# Altium PCB 2020智能车.PcbDoc (part 1 of 2) (continued)
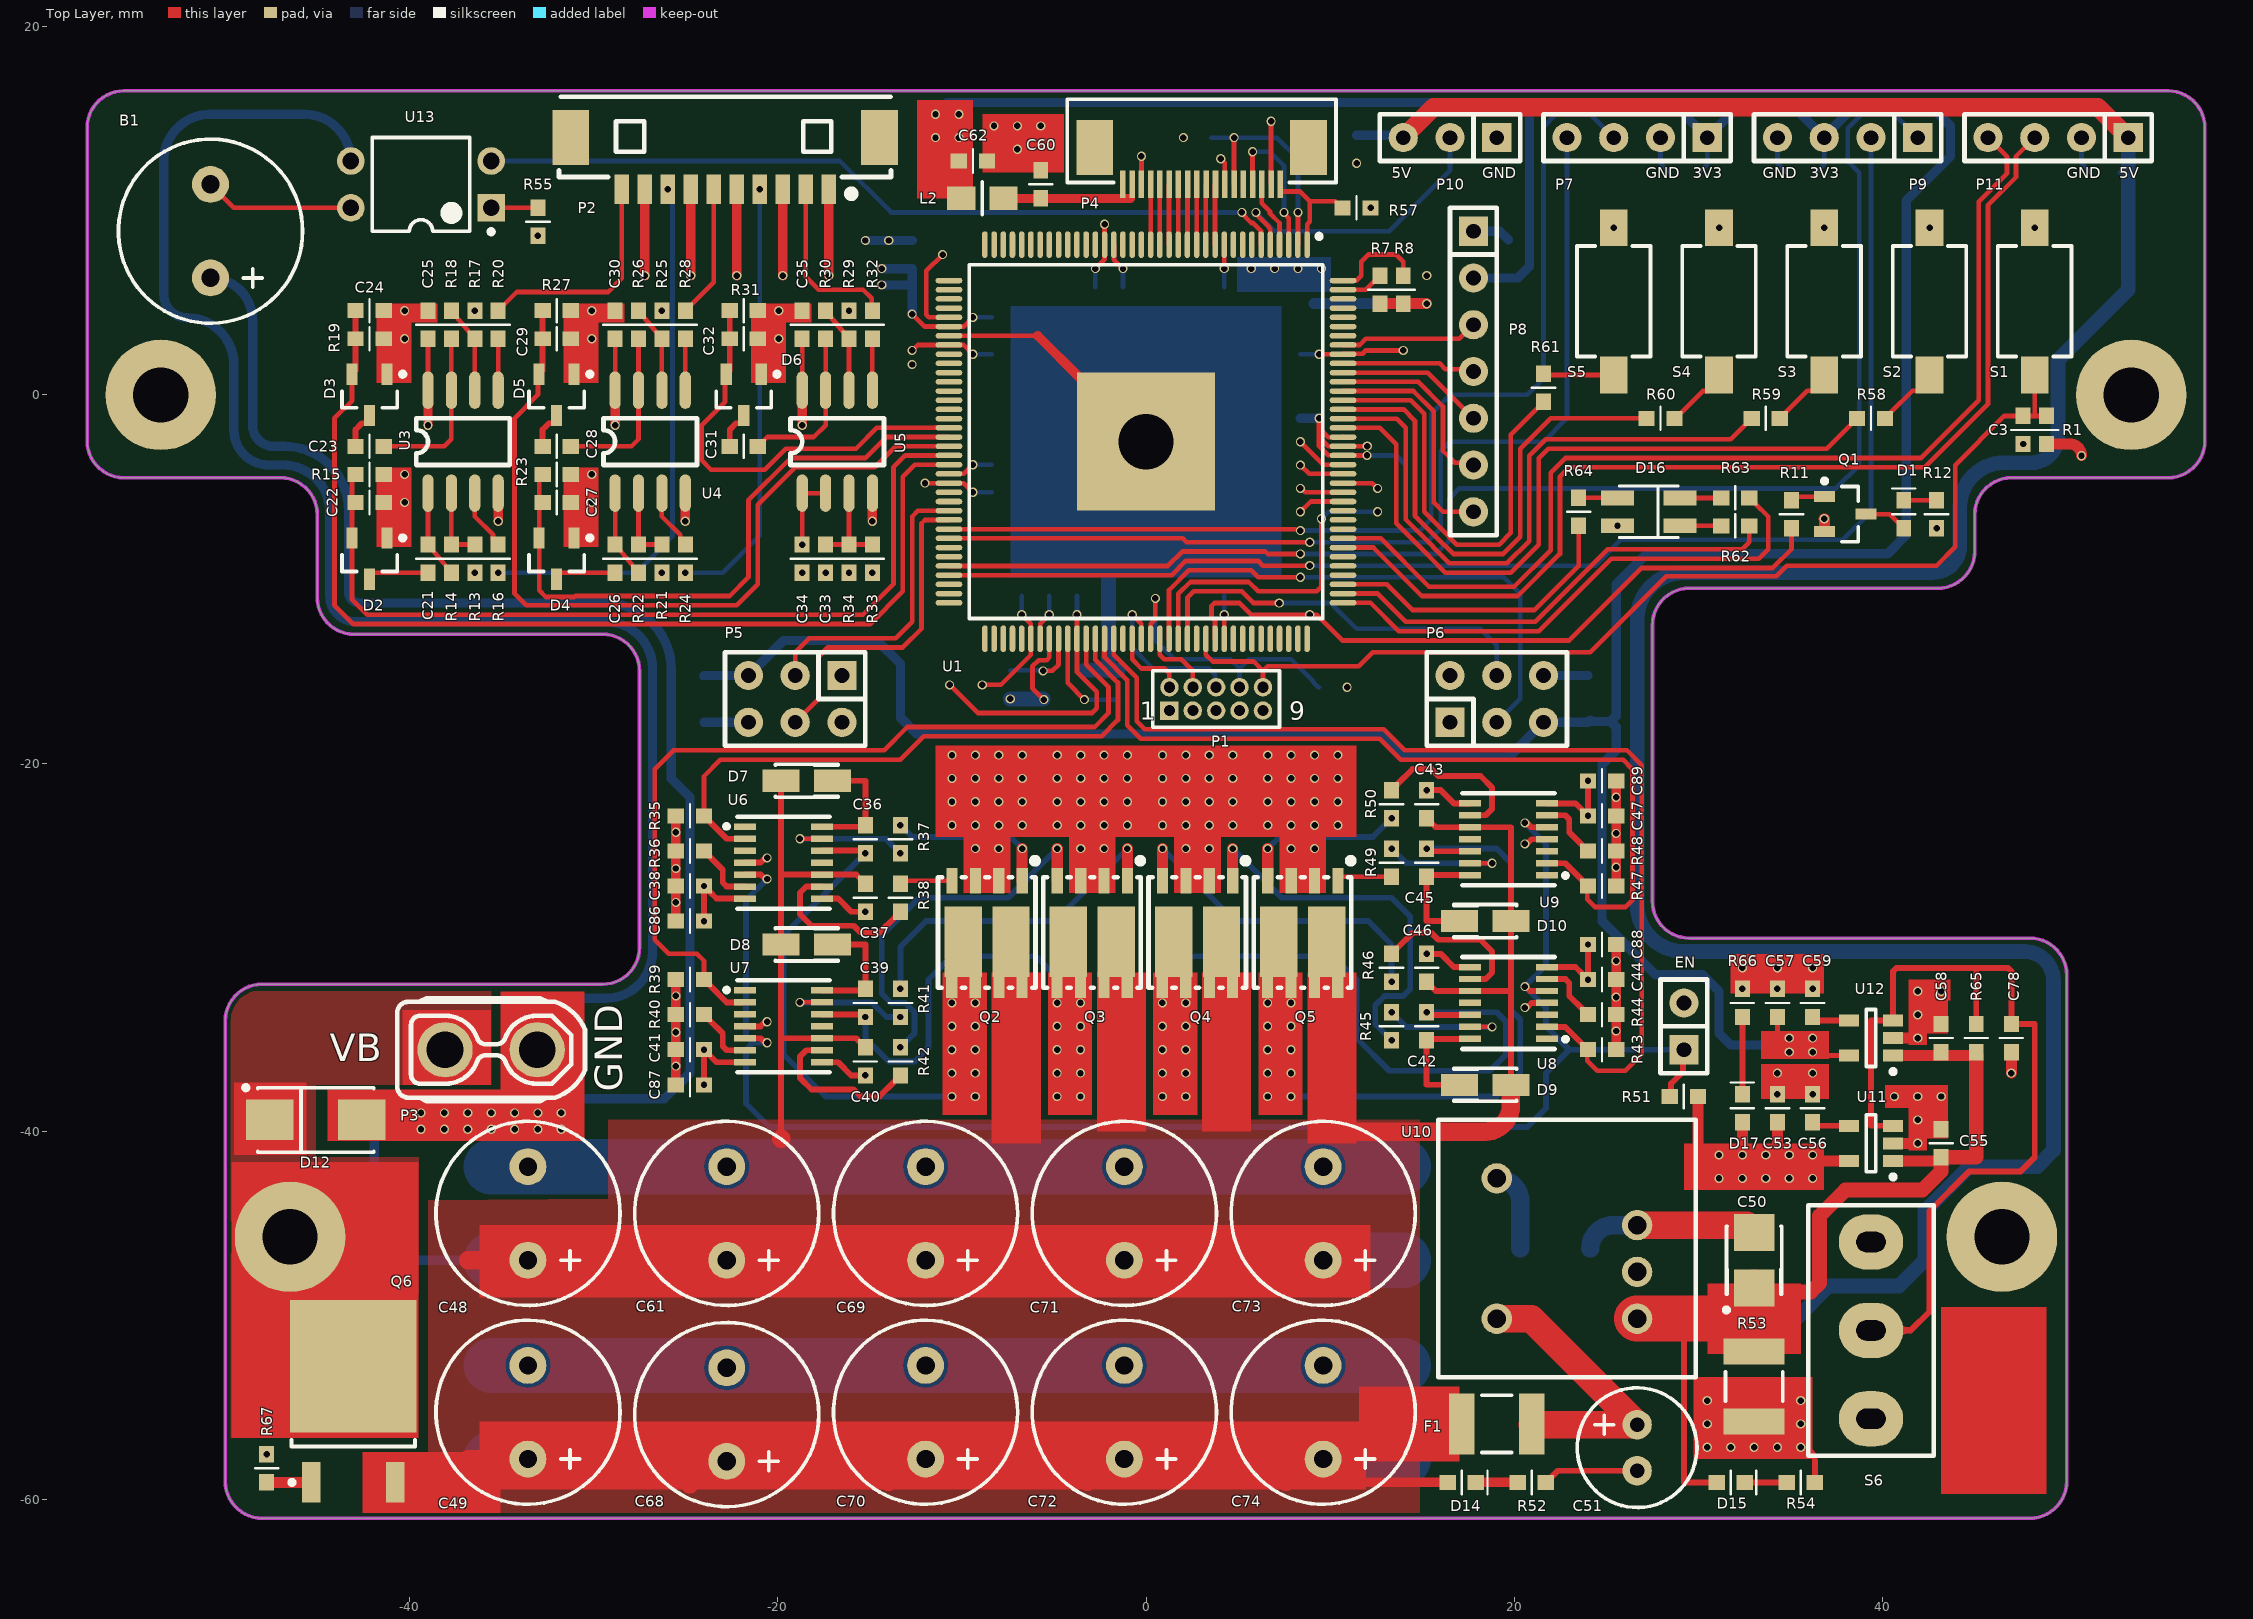
[diagram p0: Top Layer view]
## Part data
B1: "蜂鸣器"
C1 C2: "Capacitor", LatestRevisionDate=17-Jul-2002, LatestRevisionNote="Re-released for DXP Platform.", PackageDescription="Radial Cap, Thru-Hole; 2 Leads; 0.3 in Pin Spacing", PackageReference=RAD-0.3, Published=8-Jun-2000, Publisher="Altium Limited"
C3 C4 C5 C6 C7 C8 C9 C10 C11 C12 C13 C14 C15 C16 C19 C21 C22 C23 C24 C25 C26 C27 C28 C29 C30 C31 C32 C33 C34 C35 C36 C37 C38 C39 C40 C41 C42 C43 C44 C45 C46 C47 C52 C53 C54 C55 C56 C57 C58 C59 C60 C62 C63 C64 C65 C66 C67 C75 C76 C77 C78 C79 C80 C81 C82 C83 C84 C85 C86 C87 C88 C89 C90 C91: library part Cap, "Capacitor"
  C25 C30 C35 C53 C54 C55 C56 C57 C58 C59 C78: LatestRevisionDate=17-Jul-2002, LatestRevisionNote="Re-released for DXP Platform.", PackageDescription="Radial Cap, Thru-Hole; 2 Leads; 0.3 in Pin Spacing", PackageReference=RAD-0.3, Published=8-Jun-2000, Publisher="Altium Limited"
C48 C49 C50 C51 C61 C68 C69 C70 C71 C72 C73 C74: library part "Cap Pol1", "Polarized Capacitor (Radial)"
D1 D14 D15 D17: library part LED0, "Typical INFRARED GaAs LED"
D7 D8 D9 D10: library part Diode, "Default Diode", Code_JEDEC=DO-214-AB, LatestRevisionDate=17-Jul-2002, LatestRevisionNote="Re-released for DXP Platform.", PackageDescription="DO-214-AB/SMC; 2 C-Bend Leads; Body 7.9 x 5.9 mm, inc. leads (LxW)", PackageReference=SMC, PackageVersion=Sep-1996, Published=8-Jun-2000, Publisher="Altium Limited"
D12: library part TVS, "双向瞬态抑制二极管"
EN: "Jumper Wire", LatestRevisionDate=17-Jul-2002, LatestRevisionNote="Re-released for DXP Platform.", PackageDescription="Radial Cap, Thru-Hole; 2 Leads; 0.2 in Pin Spacing", PackageReference=RAD-0.2, Published=24-Mar-1999, Publisher="Altium Limited"
F1: library part "Fuse 1", "Fuse", LatestRevisionDate=17-Jul-2002, LatestRevisionNote="Re-released for DXP Platform.", PackageDescription="Thru-Hole; 2 Leads", PackageReference=PIN-W2/E2.8, Published=8-Jun-2000, Publisher="Altium Limited"
L1 L2: library part Inductor, "Inductor"
P2: "Header, 10-Pin", LatestRevisionDate=17-Jul-2002, LatestRevisionNote="Re-released for DXP Platform.", Publisher="Altium Limited"
P3: library part "Header 2", "Header, 2-Pin", LatestRevisionDate=17-Jul-2002, LatestRevisionNote="Re-released for DXP Platform.", Publisher="Altium Limited"
P4: "贴片"
P5 P6: "Header, 3-Pin, Dual row", LatestRevisionDate=17-Jul-2002, LatestRevisionNote="Re-released for DXP Platform.", Publisher="Altium Limited"
P7 P9 P11: "Header, 4-Pin", LatestRevisionDate=17-Jul-2002, LatestRevisionNote="Re-released for DXP Platform.", Publisher="Altium Limited"
P8: "Header, 7-Pin", LatestRevisionDate=17-Jul-2002, LatestRevisionNote="Re-released for DXP Platform.", Publisher="Altium Limited"
P10: "Header, 3-Pin", LatestRevisionDate=17-Jul-2002, LatestRevisionNote="Re-released for DXP Platform.", Publisher="Altium Limited"
Q1 Q6: library part P-MOS, "P沟道场效应管"
R1 R2 R3 R4 R5 R6 R7 R8 R9 R10 R11 R12 R13 R14 R15 R16 R17 R18 R19 R20 R21 R22 R23 R24 R25 R26 R27 R28 R29 R30 R31 R32 R33 R34 R35 R36 R37 R38 R39 R40 R41 R42 R43 R44 R45 R46 R47 R48 R49 R50 R51 R52 R53 R54 R55 R56 R57 R58 R59 R60 R61 R62 R63 R64 R65 R66 R67: library part Res2, "Resistor"
  R35 R36 R37 R38 R39 R40 R41 R42 R43 R44 R45 R46 R47 R48 R49 R50 R51: LatestRevisionDate=17-Jul-2002, LatestRevisionNote="Re-released for DXP Platform.", PackageDescription="Axial Device, Thru-Hole; 2 Leads; 0.4 in Pin Spacing", PackageReference=AXIAL-0.4, Published=8-Jun-2000, Publisher="Altium Limited"
S1: library part SW-PB, "Switch", LatestRevisionDate=17-Jul-2002, LatestRevisionNote="Re-released for DXP Platform.", PackageDescription="Switch; 2 Leads", PackageReference=SPST-2, Published=24-Mar-1999, Publisher="Altium Limited"
S2 S3 S4 S5: "Switch", LatestRevisionDate=17-Jul-2002, LatestRevisionNote="Re-released for DXP Platform.", PackageDescription="Switch; 2 Leads", PackageReference=SPST-2, Published=24-Mar-1999, Publisher="Altium Limited"
S6: library part SW-SPST, "Single-Pole, Single-Throw Switch", LatestRevisionDate=17-Jul-2002, LatestRevisionNote="Re-released for DXP Platform.", PackageDescription="Switch; 2 Leads", PackageReference=SPST-2, Published=24-Mar-1999, Publisher="Altium Limited"
U1: "32-Bit Single-Chip Microcontroller BC-Step", Manufacturer="Infineon Technologies", ManufacturerPartNumber="SAK-TC264D-40F200N BC", PackageReference=PG-LQFP-144-22
U2: library part CON3, "Connector"
U3 U4 U5: library part AD8606ARZ-REEL7, "Double Channel Wide Bandwidth Operational Amplifier, 10 MHz BW, 5 V/us SR, Industrial, 8-pin SOIC (R-8), Reel", Amplifiers Per Package=2, Input Bias Current=200fA, Input Offset Voltage=20uV, Manufacturer="Analog Devices", Supplier Part Number 1=AD8606ARZ-REEL7TR-ND, Code_JEDEC=MS-012-AA, ComponentLink1Description="Manufacturer URL", ComponentLink1URL=http://www.analog.com/en/index.html, ComponentLink2Description=Datasheet, ComponentLink2URL=http://www.analog.com/static/imported-files/data_sheets/AD8605_8606_8608.pdf, ComponentLink3Description="Package Specification", ComponentLink3URL=http://www.analog.com/static/imported-files/packages/PKG_PDF/SOIC_Narrow%20(R)/R_8.pdf, ComponentLink4Description="Reference Circuit", ComponentLink4URL=http://www.analog.com/en/all-operational-amplifiers-op-amps/operational-amplifiers-op-amps/ad8606/products/product.html#product-recommendations, DatasheetVersion="Rev. L", Generic Part Number=AD8606, Iq/Amp=1.2mA, Mounting Technology="Surface Mount", PackageDescription="8-Pin Standard Small Outline Package, Body 3.9 x 4.9 mm, Pitch 1.27 mm", PackageReference=R-8, PackageVersion=060506-A, PartNumber=AD8606ARZ-REEL7, Slew Rate=5V/us, Small Signal Bandwidth=10MHz, Supplier 1=Digi-Key, Supplier 2=Digi-Key, Supplier 3=Digi-Key, Supplier 4=Newark, Supplier Part Number 2=AD8606ARZ-REEL7CT-ND, Supplier Part Number 3=AD8606ARZ-REEL7DKR-ND, Supplier Part Number 4=59K6924, V Span Max=6V, V Span Min=2.7V
U10: library part WRB_SD-3WR2
U11 U12: "Single Output Low Noise LDO, 400 mA, Fixed 3.3 V Output, 1.7 to 5.5 V Input, with Reverse Current Protection, 5-pin SOT-23 (DBV), -40 to 85 degC, Green (RoHS & no Sb/Br)", Manufacturer="Texas Instruments", Rating=Catalog, Supplier Part Number 1=296-27064-2-ND, Accuracy(%)=1, Code_JEDEC=MO-178, ComponentLink1Description="Manufacturer URL", ComponentLink1URL=http://www.ti.com/, ComponentLink2Description=Datasheet, ComponentLink2URL=http://www.ti.com/general/docs/lit/getliterature.tsp?genericPartNumber=TPS73633&fileType=pdf, ComponentLink3Description="Package Specification", ComponentLink3URL=http://www.ti.com/litv/pdf/mpds018i, ComponentLink4Description="URL Link1", ComponentLink4URL="Samples URL:http://www.ti.com/product/tps73633#samples", DatasheetVersion=SBVS038T, Eco-Plan="Green (RoHS & no Sb/Br)", Fixed Output Options(V)=3.3, Iout(Max)(A)=0.4, Iq(Typ)(mA)=0.3, Mounting Technology="Surface Mount", PackageDescription="5-Pin Plastic Small Outline, Body 1.60 脳 2.90 mm, Pitch 0.95 mm", PackageReference=DBV5, PackageVersion=4073253-4/K, PartNumber=TPS73633DBVR, SubFamily="Single Channel LDO", Supplier 1=Digi-Key, Supplier 2=Digi-Key, Supplier 3=Digi-Key, Supplier 4=Newark, Supplier 5=Mouser, Supplier Part Number 2=296-27064-1-ND, Supplier Part Number 3=296-27064-6-ND, Supplier Part Number 4=87H2980, Supplier Part Number 5=595-TPS73633DBVR, Vdo(Typ)(mV)=75, Vin(Max)(V)=5.5, Vin(Min)(V)=1.7, Vout Adj(Max)(V)=3.3, Vout Adj(Min)(V)=3.3
U13: library part Optoisolator1, "4-Pin Phototransistor Optocoupler", DatasheetVersion=Nov-2003, LatestRevisionDate=04-Mar-2005, LatestRevisionNote="Sch pins 3 & 4 Swapped.", PackageReference=DIP-4, Published=24-Mar-1999, Publisher="Altium Limited"
Y1: library part XTAL

## Free pads (board coordinates)
  rect 4x4 hole 3: 2(0,-2.54)
  round 6 hole 3: ""(-53.5,0) ""(-46.482,-45.72) ""(46.482,-45.72) ""(53.5,0)
  rect 4x7 smd far side: ""(-9.017,-35.56) ""(-3.302,-35.56) ""(2.413,-35.56) ""(8.128,-35.56)

## Via types
v1: diameter 0.5, hole 0.35, Top Layer to Bottom Layer, tented both sides, 347 vias

## Nets (pads, with @x,y where several pads share a name; then routed paths per layer and width w, separated by ;. In a path a pad name is that pad's centre, name@x,y a point inside that pad or via, vN(x,y) a via of type N, cw(c..) or ccw(c..) an arc to the next point about the centre after c; other vN are vias at no path point)
AHO1: R37.1 U6.13 | length 7
  Top Layer w0.254: v1(-18.796,-24.1) U6.13@-17.585,-24.1
  Bottom Layer w0.318: v1(-18.796,-24.1) -14.127,-24.1 v1(-13.335,-24.892)
AHO2: R45.1 U8.13 | length 7
  Top Layer w0.254: U8.13@17.585,-34.32 v1(18.796,-34.32)
  Bottom Layer w0.318: v1(13.335,-33.528) 14.127,-34.32 v1(18.796,-34.32)
AHS1: C36.2 pad.@-9.017,-35.56 Q2.5 U6.12 | length 25.2
  Top Layer w0.318: U6.12@-17.585,-24.75 C36.2@-15.24,-24.75
  Bottom Layer w0.318: v1(-15.24,-24.892) -19.685,-29.337 -19.685,-35.814 -17.399,-38.1 v1(-10.541,-38.1)
  other v1: -9.271,-38.1 -10.541,-36.83 -9.271,-36.83 -10.541,-35.56 -9.271,-35.56 -10.541,-34.29 -9.271,-34.29 -10.541,-33.02 -9.271,-33.02
AHS2: C42.2 pad.@2.413,-35.56 Q4.5 U8.12 | length 34
  Top Layer w0.318: C42.2@15.24,-33.67 U8.12@17.585,-33.67
  Bottom Layer w0.318: v1(0.889,-33.02) 0.889,-31.623 2.032,-30.48 10.16,-30.48 11.43,-31.75 11.43,-34.925 13.208,-36.703 18.669,-36.703 19.558,-35.814 19.558,-34.036 19.05,-33.528 v1(15.24,-33.528)
  other v1: 0.889,-38.1 2.159,-38.1 0.889,-36.83 2.159,-36.83 0.889,-35.56 2.159,-35.56 0.889,-34.29 2.159,-34.29 2.159,-33.02
ALO1: R38.1 U6.9 | length 8.9
  Top Layer w0.318: U6.9@-17.585,-26.7 -18.445,-26.7 -18.796,-27.051 -18.796,-28.194 -18.161,-28.829 -15.875,-28.829 -15.494,-29.21 -14.478,-29.21 -13.62,-28.352 -13.582,-28.352 -13.335,-28.105 R38.1@-13.335,-28.067
ALO2: R46.1 U8.9 | length 8.9
  Top Layer w0.318: R46.1@13.335,-30.353 13.335,-30.315 13.582,-30.068 13.62,-30.068 14.478,-29.21 15.494,-29.21 15.875,-29.591 18.161,-29.591 18.796,-30.226 18.796,-31.369 18.445,-31.72 U8.9@17.585,-31.72
AN0: C24.2 D3.2 R19.1 U1.57 | length 57.5
  Top Layer w0.254: D3.2@-43.114,1.125 -43.114,-0.315 -44.069,-1.27 -44.069,-11.43 -43.053,-12.446 -23.114,-12.446 -14.986,-12.446 -13.208,-10.668 -13.208,-4.445 -12.553,-3.79 U1.57@-10.7,-3.79
  Top Layer w0.315: D3.2@-43.114,1.125 -42.926,1.313 R19.1@-42.926,3.048 C24.2@-42.926,4.572
AN1: C22.2 D2.2 R15.1 U1.56 | length 47
  Top Layer w0.254: R15.1@-42.926,-4.318 -43.114,-4.318 -43.114,-5.842 D2.2@-43.114,-7.765 -43.114,-11.115 -42.291,-11.938 -15.367,-11.938 -13.716,-10.287 -13.716,-3.937 -13.069,-3.29 U1.56@-10.7,-3.29
AN2: C29.2 D5.2 R27.1 U1.55 | length 46
  Top Layer w0.254: D5.2@-32.954,1.125 -33.02,1.059 -33.02,0 -34.29,-1.27 -34.29,-10.795 -33.655,-11.43 -22.225,-11.43 -21.082,-10.287 -21.082,-5.969 -19.05,-3.937 -14.732,-3.937 -13.585,-2.79 U1.55@-10.7,-2.79
  Top Layer w0.315: D5.2@-32.954,1.125 -32.766,1.313 C29.2@-32.766,3.048 R27.1@-32.766,4.572
AN3: C27.2 D4.2 R23.1 U1.54 | length 34.9
  Top Layer w0.254: R23.1@-32.766,-4.318 -32.954,-4.318 -32.954,-5.842 D4.2@-32.954,-7.765 -32.954,-10.607 -32.585,-10.976 -31.042,-10.976 -30.988,-10.922 -22.606,-10.922 -21.59,-9.906 -21.59,-5.715 -19.304,-3.429 -15.24,-3.429 -14.101,-2.29 U1.54@-10.7,-2.29
AN4: C32.2 D6.2 R31.1 U1.53 | length 24.1
  Top Layer w0.254: D6.2@-22.794,1.125 -22.86,1.059 -22.86,-0.381 -24.13,-1.651 -24.13,-3.556 -23.622,-4.064 -20.701,-4.064 -19.558,-2.921 -15.748,-2.921 -14.617,-1.79 -11.473,-1.79 U1.53@-10.7,-1.79 -10.723,-1.767 -11.473,-1.767
  Top Layer w0.315: D6.2@-22.794,1.125 -22.606,1.313 C32.2@-22.606,3.048 R31.1@-22.606,4.572
AVCC_3V3_ISOL: C4.1 C25.1 C30.1 C35.1 C54.1 L1.2 R33.1 U1.42 U3.8 U4.8 U5.8 | length 24.7
  Top Layer w0.254: U3.8@-38.989,0.254 C25.1@-38.989,3.048 ; U4.8@-28.829,0.254 C30.1@-28.829,3.048 ; U5.8@-18.669,0.254 C35.1@-18.669,3.048 ; v1(-12.7,4.388) -12.022,3.71 U1.42@-10.7,3.71 -9.898,3.71 v1(-9.398,4.21)
  Top Layer w0.508: v1(-38.989,-1.651) U3.8@-38.989,0.254 ; v1(-28.829,-1.651) U4.8@-28.829,0.254 ; v1(-18.669,-1.651) U5.8@-18.669,0.254
  Bottom Layer w0.254: L1.2@-12.7,4.318 v1(-12.7,4.388) ; v1(-9.398,4.21) C54.1@-8.382,4.21
  Bottom Layer w0.508: v1(-14.351,5.969) -12.7,5.969 ; v1(-14.351,6.858) C4.1@-12.7,6.858 -12.7,5.969 ; v1(-12.7,4.388) -12.7,5.969
  other v1: -14.859,-9.652
BHO1: R41.1 U7.13 | length 7
  Top Layer w0.254: v1(-18.796,-32.99) U7.13@-17.585,-32.99
  Bottom Layer w0.318: v1(-18.796,-32.99) -14.889,-32.99 -14.097,-33.782 v1(-13.335,-33.782)
BHO2: R49.1 U9.13 | length 7
  Top Layer w0.254: U9.13@17.585,-25.43 v1(18.796,-25.43)
  Bottom Layer w0.318: v1(13.335,-24.638) 14.127,-25.43 v1(18.796,-25.43)
BHS1: C39.2 pad.@-3.302,-35.56 Q3.5 U7.12 | length 20.8
  Top Layer w0.318: U7.12@-17.585,-33.64 C39.2@-15.24,-33.64
  Bottom Layer w0.318: v1(-15.24,-33.782) -15.24,-34.925 -13.97,-36.195 -12.573,-36.195 -11.811,-35.433 -11.811,-31.75 -10.541,-30.48 -5.969,-30.48 -4.826,-31.623 v1(-4.826,-33.02)
  other v1: -4.826,-38.1 -3.556,-38.1 -4.826,-36.83 -3.556,-36.83 -4.826,-35.56 -3.556,-35.56 -4.826,-34.29 -3.556,-34.29 -3.556,-33.02
BHS2: C45.2 pad.@8.128,-35.56 Q5.5 U9.12 | length 31.8
  Top Layer w0.318: C45.2@15.24,-24.78 U9.12@17.585,-24.78
  Bottom Layer w0.318: v1(7.874,-38.1) 19.05,-38.1 20.32,-36.83 20.32,-33.909 19.812,-33.401 19.812,-25.4 19.05,-24.638 v1(15.24,-24.638)
  other v1: 6.604,-38.1 6.604,-36.83 7.874,-36.83 6.604,-35.56 7.874,-35.56 6.604,-34.29 7.874,-34.29 6.604,-33.02 7.874,-33.02
BLO1: R42.1 U7.9 | length 8.9
  Top Layer w0.318: U7.9@-17.585,-35.59 -18.445,-35.59 -18.796,-35.941 -18.796,-37.084 -18.161,-37.719 -15.875,-37.719 -15.494,-38.1 -14.478,-38.1 -13.62,-37.242 -13.582,-37.242 -13.335,-36.995 R42.1@-13.335,-36.957
BLO2: R50.1 U9.9 | length 8.9
  Top Layer w0.318: R50.1@13.335,-21.463 13.335,-21.425 13.582,-21.178 13.62,-21.178 14.478,-20.32 15.494,-20.32 15.875,-20.701 18.161,-20.701 18.796,-21.336 18.796,-22.479 18.445,-22.83 U9.9@17.585,-22.83
DVCC_3V3_ISOL: C9.1 C10.1 C12.1 C13.1 C14.1 C15.1 C16.1 C19.2 C38.2 C41.2 C44.2 C47.2 C53.1 C86.2 C87.2 C88.2 C89.2 D16.2 D17.1 L1.1 Q1.2 R1.1 R6.1 R7.1 R8.1 R9.1 R10.1 R51.2 R55.1 U1.23 U1.44 U1.59 U1.78 U1.83 U1.125 U1.126 U1.127 U1.136 U2.3 U6.7 U7.7 U8.7 U9.7 U11.5 | length 99
  Top Layer w0.254: v1(-12.7,2.413) -12.403,2.71 U1.44@-10.7,2.71 -9.898,2.71 v1(-9.398,2.21) ; v1(-12.002,-4.79) U1.59@-10.7,-4.79 -9.898,-4.79 v1(-9.398,-5.29) ; v1(-10.668,-15.748) -9.144,-17.272 -2.921,-17.272 -2.667,-17.018 -2.667,-16.129 -3.75,-15.046 U1.83@-3.75,-13.24 v1(-3.75,-11.938) ; v1(-8.89,-15.748) -7.874,-15.748 -6.25,-14.124 -6.25,-12.438 ; v1(-6.75,-11.938) -6.25,-12.438 ; U1.78@-6.25,-13.24 -6.25,-12.438 ; v1(-2.75,6.858) -2.25,7.358 U1.23@-2.25,8.16 v1(-2.25,9.271) ; v1(9.398,-1.27) 9.398,-1.806 ; v1(9.398,2.21) U1.136@10.7,2.21 10.723,2.233 11.765,2.233 11.945,2.413 v1(13.97,2.413) ; U1.126@10.7,-2.79 9.902,-2.79 9.398,-2.286 ; U1.127@10.7,-2.29 10.692,-2.298 9.89,-2.298 9.398,-1.806 ; U1.126@10.708,-2.782 v1(12.01,-2.782) ; v1(12.002,-3.29) U1.125@10.7,-3.29 10.692,-3.282 9.89,-3.282 9.398,-2.79 9.398,-2.286 ; 9.398,-2.286 9.398,-1.806
  Top Layer w0.318: v1(-24.003,-37.465) v1(-24.003,-35.56) ; v1(-24.003,-28.575) v1(-24.003,-26.67) -23.965,-26.67 -23.718,-26.917 -23.718,-26.955 -23.323,-27.35 U6.7@-21.785,-27.35 ; C41.2@-23.718,-35.845 -23.323,-36.24 U7.7@-21.785,-36.24 ; U8.7@21.785,-31.07 23.323,-31.07 C44.2@23.718,-31.465 ; U9.7@21.785,-22.18 23.323,-22.18 C47.2@23.718,-22.575 ; v1(24.003,-31.75) v1(24.003,-29.845) ; v1(24.003,-22.86) v1(24.003,-20.955)
  Top Layer w0.6: R7.1@12.7,4.953 v1(15.24,4.953) ; R51.2@29.972,-38.1 29.972,-41.59 32.385,-41.59 ; D17.1@32.385,-39.497 32.385,-41.59 ; C53.1@34.29,-39.497 34.29,-41.59 ; v1(36.83,-6.731) cw(c36.83,-6.749) 36.848,-6.749 Q1.2@36.848,-7.427 ; U11.5@38.17,-41.59 34.29,-41.59 ; R1.1@48.895,-2.667 50.165,-2.667 cw(c50.165,-3.302) v1(50.8,-3.302) ; 32.385,-41.59 34.29,-41.59
  Bottom Layer w0.254: v1(-9.398,-5.29) C14.1@-8.382,-5.29 ; v1(-9.398,2.21) C15.1@-8.382,2.21 ; v1(-6.75,-11.938) C13.1@-6.75,-10.922 ; v1(-3.75,-11.938) C9.1@-3.75,-10.922 ; C16.1@-2.75,5.842 v1(-2.75,6.858) ; C12.1@8.382,2.21 v1(9.398,2.21) ; v1(12.002,-3.29) 13.577,-3.29 14.097,-3.81 R10.1@14.097,-6.35
  Bottom Layer w0.508: C10.1@8.382,-1.27 v1(9.398,-1.27)
  Bottom Layer w0.6: U2.3@9.126,4.953 9.401,4.953 v1(15.24,4.953)
  other v1: 31.115,-42.545 32.385,-42.545 33.655,-42.545 34.925,-42.545 36.195,-42.545 31.115,-41.275 32.385,-41.275 33.655,-41.275 34.925,-41.275 36.195,-41.275 10.922,-15.875 25.605,-7.1 -12.7,1.651 -33.02,8.636
EN: EN.1 R51.1 U6.5 U7.5 U8.5 U9.5 | length 90.4
  Top Layer w0.318: U7.5@-21.785,-34.94 -20.916,-34.94 -20.677,-35.179 v1(-20.574,-35.179) ; U6.5@-21.785,-26.05 -20.916,-26.05 -20.677,-26.289 v1(-20.574,-26.289) ; v1(20.574,-32.131) 20.612,-32.131 20.851,-32.37 U8.5@21.785,-32.37 ; v1(20.574,-23.241) 20.677,-23.241 20.916,-23.48 U9.5@21.785,-23.48 ; R51.1@28.448,-38.1 28.51,-38.038 28.51,-37.403 29.162,-36.751 29.162,-35.608 EN.1@29.21,-35.56
  Bottom Layer w0.318: v1(-20.574,-35.179) -21.336,-35.179 ; v1(-20.574,-26.289) -21.717,-27.432 -21.717,-34.798 -21.336,-35.179 ; v1(20.574,-23.241) 21.717,-24.384 21.717,-30.988 v1(20.574,-32.131) 21.717,-33.274 21.717,-34.29 22.987,-35.56 ; EN.1@29.21,-35.56 22.987,-35.56 ; -21.336,-35.179 -21.717,-35.56 -21.717,-38.481 -20.447,-39.751 20.701,-39.751 21.717,-38.735 21.717,-36.83 22.987,-35.56
ESR0: R11.2 U1.98 | length 37.5
  Top Layer w0.254: U1.98@3.75,-13.24 3.75,-12.259 3.556,-12.065 3.556,-11.452 3.705,-11.303 5.08,-11.303 5.715,-11.938 v1(8.89,-11.938) 8.892,-11.94 9.273,-11.94 10.668,-13.335 22.987,-13.335 26.924,-9.398 34.036,-9.398 35.052,-8.382 R11.2@35.052,-7.239
ESR1: U1.96
FGND: C34.2 P2.1 P2.3 P2.5 P2.7 P2.9 R13.1 R17.1 R21.1 R25.1 R29.1 U5.1 U5.2 | length 27.5
  Top Layer w0.254: v1(-18.669,-8.128) U5.1@-18.669,-5.334 U5.2@-17.399,-5.334
  Top Layer w0.508: v1(-27.221,6.477) P2.9@-27.221,11.159 ; v1(-24.721,6.477) P2.7@-24.721,11.159 ; v1(-22.221,6.477) P2.5@-22.221,11.159 ; v1(-19.721,6.477) P2.3@-19.721,11.159 ; v1(-17.221,6.477) P2.1@-17.221,11.159
  other v1: -36.449,-9.652 -26.289,-9.652 -36.449,4.572 -26.289,4.572 -16.129,4.572
IGND: C1.1 C2.1 C3.1 C4.2 C5.2 C6.2 C7.2 C8.2 C9.2 C10.2 C11.2 C12.2 C13.2 C14.2 C15.2 C16.2 C19.1 C22.1 C24.1 C25.2 C27.1 C29.1 C30.2 C32.1 C33.2 C34.1 C35.2 C38.1 C41.1 C44.1 C47.1 C50.2 C52.1 C53.2 C54.2 C55.2 C56.1 C57.2 C58.2 C59.1 C60.2 C62.2 C63.2 C64.2 C65.2 C66.2 C67.2 C78.2 C86.1 C87.1 C88.1 C89.1 C90.2 C91.2 D2.1 D3.1 D4.1 D5.1 D6.1 EN.2 P1.3 P1.5 P1.7 P1.9 P4.2 P4.7 P4.16 P5.6 P6.6 P7.2 P8.1 P9.4 P10.1 P11.2 pad.2 R2.1 R3.1 R4.1 R5.1 R12.1 R15.2 R19.2 R23.2 R27.2 R31.2 R34.2 R35.1 R36.1 R39.1 R40.1 R43.1 R44.1 R47.1 R48.1 R53.1 R54.1 R56.1 R57.1 R66.1 S1.1 S2.1 S3.1 S4.1 S5.1 S6.2 U1.41 U1.43 U1.80 U1.145 U2.1 U3.4 U4.4 U5.4 U6.4 U7.4 U8.4 U9.4 U10.7 U11.2 U12.2 Y1.2 Y1.4 | length 106.5
  Top Layer w0.254: v1@-11.049,7.62 -11.938,6.731 -11.938,4.359 -11.789,4.21 U1.41@-10.7,4.21 ; U1.43@-10.7,3.21 -5.877,3.21 ; v1(-5.545,-16.548) -6.165,-15.928 -6.165,-14.747 -5.827,-14.409 -5.399,-14.409 -5.25,-14.26 U1.80@-5.25,-13.24 ; v1@-0.254,12.954 v1(-0.249,12.954) P4.16@-0.249,11.43 ; v1(4.064,12.827) 4.277,12.614 P4.7@4.277,11.43 ; P4.2@6.792,11.43 v1(6.792,14.859)
  Top Layer w0.318: U7.4@-21.785,-34.29 -20.931,-34.29 -20.677,-34.036 v1(-20.574,-34.036) ; U6.4@-21.785,-25.4 -20.931,-25.4 -20.677,-25.146 v1(-20.574,-25.146) ; v1(20.574,-33.274) 20.677,-33.274 20.931,-33.02 U8.4@21.785,-33.02 ; v1(20.574,-24.384) 20.677,-24.384 20.931,-24.13 U9.4@21.785,-24.13 ; v1(35.56,-57.15) cw(c35.56,-57.912) 36.322,-57.912 R54.1@36.322,-59.055
  Top Layer w0.508: v1(-35.179,-6.858) U3.4@-35.179,-5.334 ; C87.1@-25.527,-37.465 R39.1@-25.527,-31.75 ; C86.1@-25.527,-28.575 R35.1@-25.527,-22.86 ; v1(-25.019,-6.858) U4.4@-25.019,-5.334 ; v1(-14.859,-6.858) U5.4@-14.859,-5.334 ; -5.877,3.21 U1.145@-3.556,0.889 ; R43.1@25.527,-35.56 C88.1@25.527,-29.845 ; R47.1@25.527,-26.67 C89.1@25.527,-20.955
  Top Layer w0.6: U11.2@40.57,-40.64 v1(41.91,-40.64) v1(41.91,-39.37) v1(41.91,-38.1) ; U12.2@40.57,-34.925 v1(41.91,-34.925) v1@41.91,-33.585 ; v1(40.64,-38.1) v1(41.91,-38.1) ; v1(41.91,-33.655) v1(41.91,-32.385) v1(43.18,-32.385) ; v1(43.18,-38.1) v1(41.91,-38.1) ; v1(46.99,-36.83) C78.2@46.99,-35.687
  Top Layer w1: C50.2@32.615,-45.085 C50.2@33.02,-45.49
  Top Layer w1.5: U10.7@26.67,-45.085 C50.2@32.615,-45.085
  Bottom Layer w0.254: Y1.2@-5.583,-16.51 v1(-5.545,-16.548) ; C2.1@-1.524,-14.986 C2.1@-1.524,-14.948 ; P7.2@27.94,13.97 27.94,12.573 C65.2@28.448,12.065 ; P9.4@34.29,13.97 34.29,12.573 C67.2@34.798,12.065 ; P11.2@50.8,13.97 50.8,12.573 C91.2@51.308,12.065
  Bottom Layer w0.508: C63.2@-24.003,-17.78 P5.6@-21.59,-17.78 ; v1@-15.24,8.382 C4.2@-12.7,8.382 ; P8.1@17.78,8.89 19.215,8.89 C66.2@19.685,8.42 ; P6.6@21.59,-15.24 C64.2@24.003,-15.24
  Bottom Layer w0.8: v1(-7.366,-16.51) Y1.2@-5.583,-16.51 ; Y1.4@-3.345,-14.948 -2.032,-14.948 ; -2.032,-9.779 -2.032,-14.948 ; C2.1@-1.524,-14.986 -2.032,-14.986 -2.032,-14.948 ; C2.1@-1.524,-14.948 -2.032,-14.948
  Bottom Layer w1: C52.1@24.125,-46.355 cw(c25.395,-46.355) 25.395,-45.085 U10.7@26.67,-45.085
  other v1: 30.48,-57.15 31.75,-57.15 33.02,-57.15 34.29,-57.15 30.48,-55.88 35.56,-55.88 30.48,-54.61 35.56,-54.61 34.29,-37.973 36.195,-37.973 34.29,-36.83 36.195,-36.83 -25.527,-36.449 -25.527,-34.608 25.527,-34.544 25.527,-32.703 -25.527,-32.639 32.385,-32.258 34.29,-32.258 36.195,-32.258 32.385,-31.115 34.29,-31.115 36.195,-31.115 25.527,-30.734 -25.527,-27.559 -25.527,-25.717 25.527,-25.654 25.527,-23.812 -25.527,-23.749 25.527,-21.844 -18.669,-9.652 -17.399,-9.652 -16.129,-9.652 42.931,-7.239 -40.259,-5.842 -30.099,-5.842 -40.259,-4.318 -30.099,-4.318 47.63,-2.667 -40.259,3.048 -30.099,3.048 -19.939,3.048 -40.259,4.572 -30.099,4.572 -19.939,4.572 15.24,6.477 -11.044,7.62 -15.235,8.382 -13.965,8.382 25.405,9.08 31.12,9.08 36.835,9.08 42.55,9.08 48.265,9.08 12.197,10.16 11.435,12.573 -6.985,13.335 2.032,13.97 -8.255,14.605 -6.985,14.605 -5.715,14.605
IN1: P2.10 R20.1 | length 12.3
  Top Layer w0.254: R20.1@-35.179,4.572 -35.179,4.61 -34.9,4.89 -34.861,4.89 -34.163,5.588 -29.21,5.588 -28.471,6.327 P2.10@-28.471,11.159
IN2: P2.8 R16.1 | length 29.2
  Bottom Layer w0.254: v1(-35.179,-9.652) -27.686,-9.652 -25.712,-7.678 -25.712,10.888 -25.971,11.147 v1(-25.971,11.159)
IN3: P2.6 R28.1 | length 7.3
  Top Layer w0.254: R28.1@-25.019,4.572 -25.019,4.61 -24.74,4.89 -24.701,4.89 -23.471,6.12 P2.6@-23.471,11.159
IN4: P2.4 R24.1 | length 23.7
  Bottom Layer w0.254: v1(-25.019,-9.652) -22.987,-9.652 -20.971,-7.636 v1(-20.971,11.159)
IN5: P2.2 R32.1 | length 9.5
  Top Layer w0.254: P2.2@-18.471,11.159 -18.471,6.406 -17.78,5.715 -15.367,5.715 -14.901,5.249 -14.901,4.614 R32.1@-14.859,4.572
NetB1_2: B1.2 U13.4 | length 8.1
  Top Layer w0.254: B1.2@-50.8,11.43 -49.53,10.16 U13.4@-43.18,10.16
NetC21_1: C21.1 D2.3 | length 3.5
  Top Layer w0.254: D2.3@-42.164,-10.015 -42.164,-9.652 C21.1@-38.989,-9.652
NetC21_2: C21.2 R14.2 U3.1 | length 4.8
  Top Layer w0.254: U3.1@-38.989,-5.334 C21.2@-38.989,-8.128 R14.2@-37.719,-9.652
NetC23_1: C23.1 D3.3 | length 2.1
  Top Layer w0.315: C23.1@-42.926,-2.794 -42.926,-1.887 -42.582,-1.543 -42.307,-1.543 -42.164,-1.4 D3.3@-42.164,-1.125
NetC23_2: C23.2 R18.2 U3.7 | length 9.3
  Top Layer w0.254: C23.2@-41.402,-2.794 -38.1,-2.794 -37.719,-2.413 U3.7@-37.719,0.254 R18.2@-37.719,3.048
NetC26_1: C26.1 D4.3 | length 3.5
  Top Layer w0.254: D4.3@-32.004,-10.015 -32.004,-9.652 C26.1@-28.829,-9.652
NetC26_2: C26.2 R22.2 U4.1 | length 4.8
  Top Layer w0.254: U4.1@-28.829,-5.334 C26.2@-28.829,-8.128 R22.2@-27.559,-9.652
NetC28_1: C28.1 D5.3 | length 2.1
  Top Layer w0.315: C28.1@-32.766,-2.794 -32.766,-1.887 -32.422,-1.543 -32.147,-1.543 -32.004,-1.4 D5.3@-32.004,-1.125
NetC28_2: C28.2 R26.2 U4.7 | length 9.3
  Top Layer w0.254: C28.2@-31.242,-2.794 -27.94,-2.794 -27.559,-2.413 U4.7@-27.559,0.254 R26.2@-27.559,3.048
NetC31_1: C31.1 D6.3 | length 2.1
  Top Layer w0.315: C31.1@-22.606,-2.794 -22.606,-1.887 -22.262,-1.543 -21.987,-1.543 -21.844,-1.4 D6.3@-21.844,-1.125
NetC31_2: C31.2 R30.2 U5.7 | length 8.9
  Top Layer w0.254: C31.2@-21.082,-2.794 -21.044,-2.794 -20.764,-2.515 -20.764,-2.476 -20.574,-2.286 -18.034,-2.286 -17.399,-1.651 U5.7@-17.399,0.254 R30.2@-17.399,3.048
NetC33_1: C33.1 R33.2 R34.1 U5.3 | length 5.3
  Top Layer w0.254: C33.1@-17.399,-8.128 R34.1@-16.129,-8.128 ; U5.3@-16.129,-5.334 R34.1@-16.129,-8.128 ; R33.2@-14.859,-8.128 R34.1@-16.129,-8.128
NetC36_1: C36.1 D7.1 U6.14 | length 6.6
  Top Layer w0.318: U6.14@-17.585,-23.45 -15.24,-23.45 C36.1@-15.24,-23.368 -15.24,-20.955 D7.1@-17.015,-20.955
NetC39_1: C39.1 D8.1 U7.14 | length 6.5
  Top Layer w0.318: U7.14@-17.585,-32.34 C39.1@-15.24,-32.34 ; D8.1@-17.015,-29.845 -15.24,-29.845 C39.1@-15.24,-32.258